# Altium PCB T1_Card.PcbDoc (part 6 of 6) (continued)
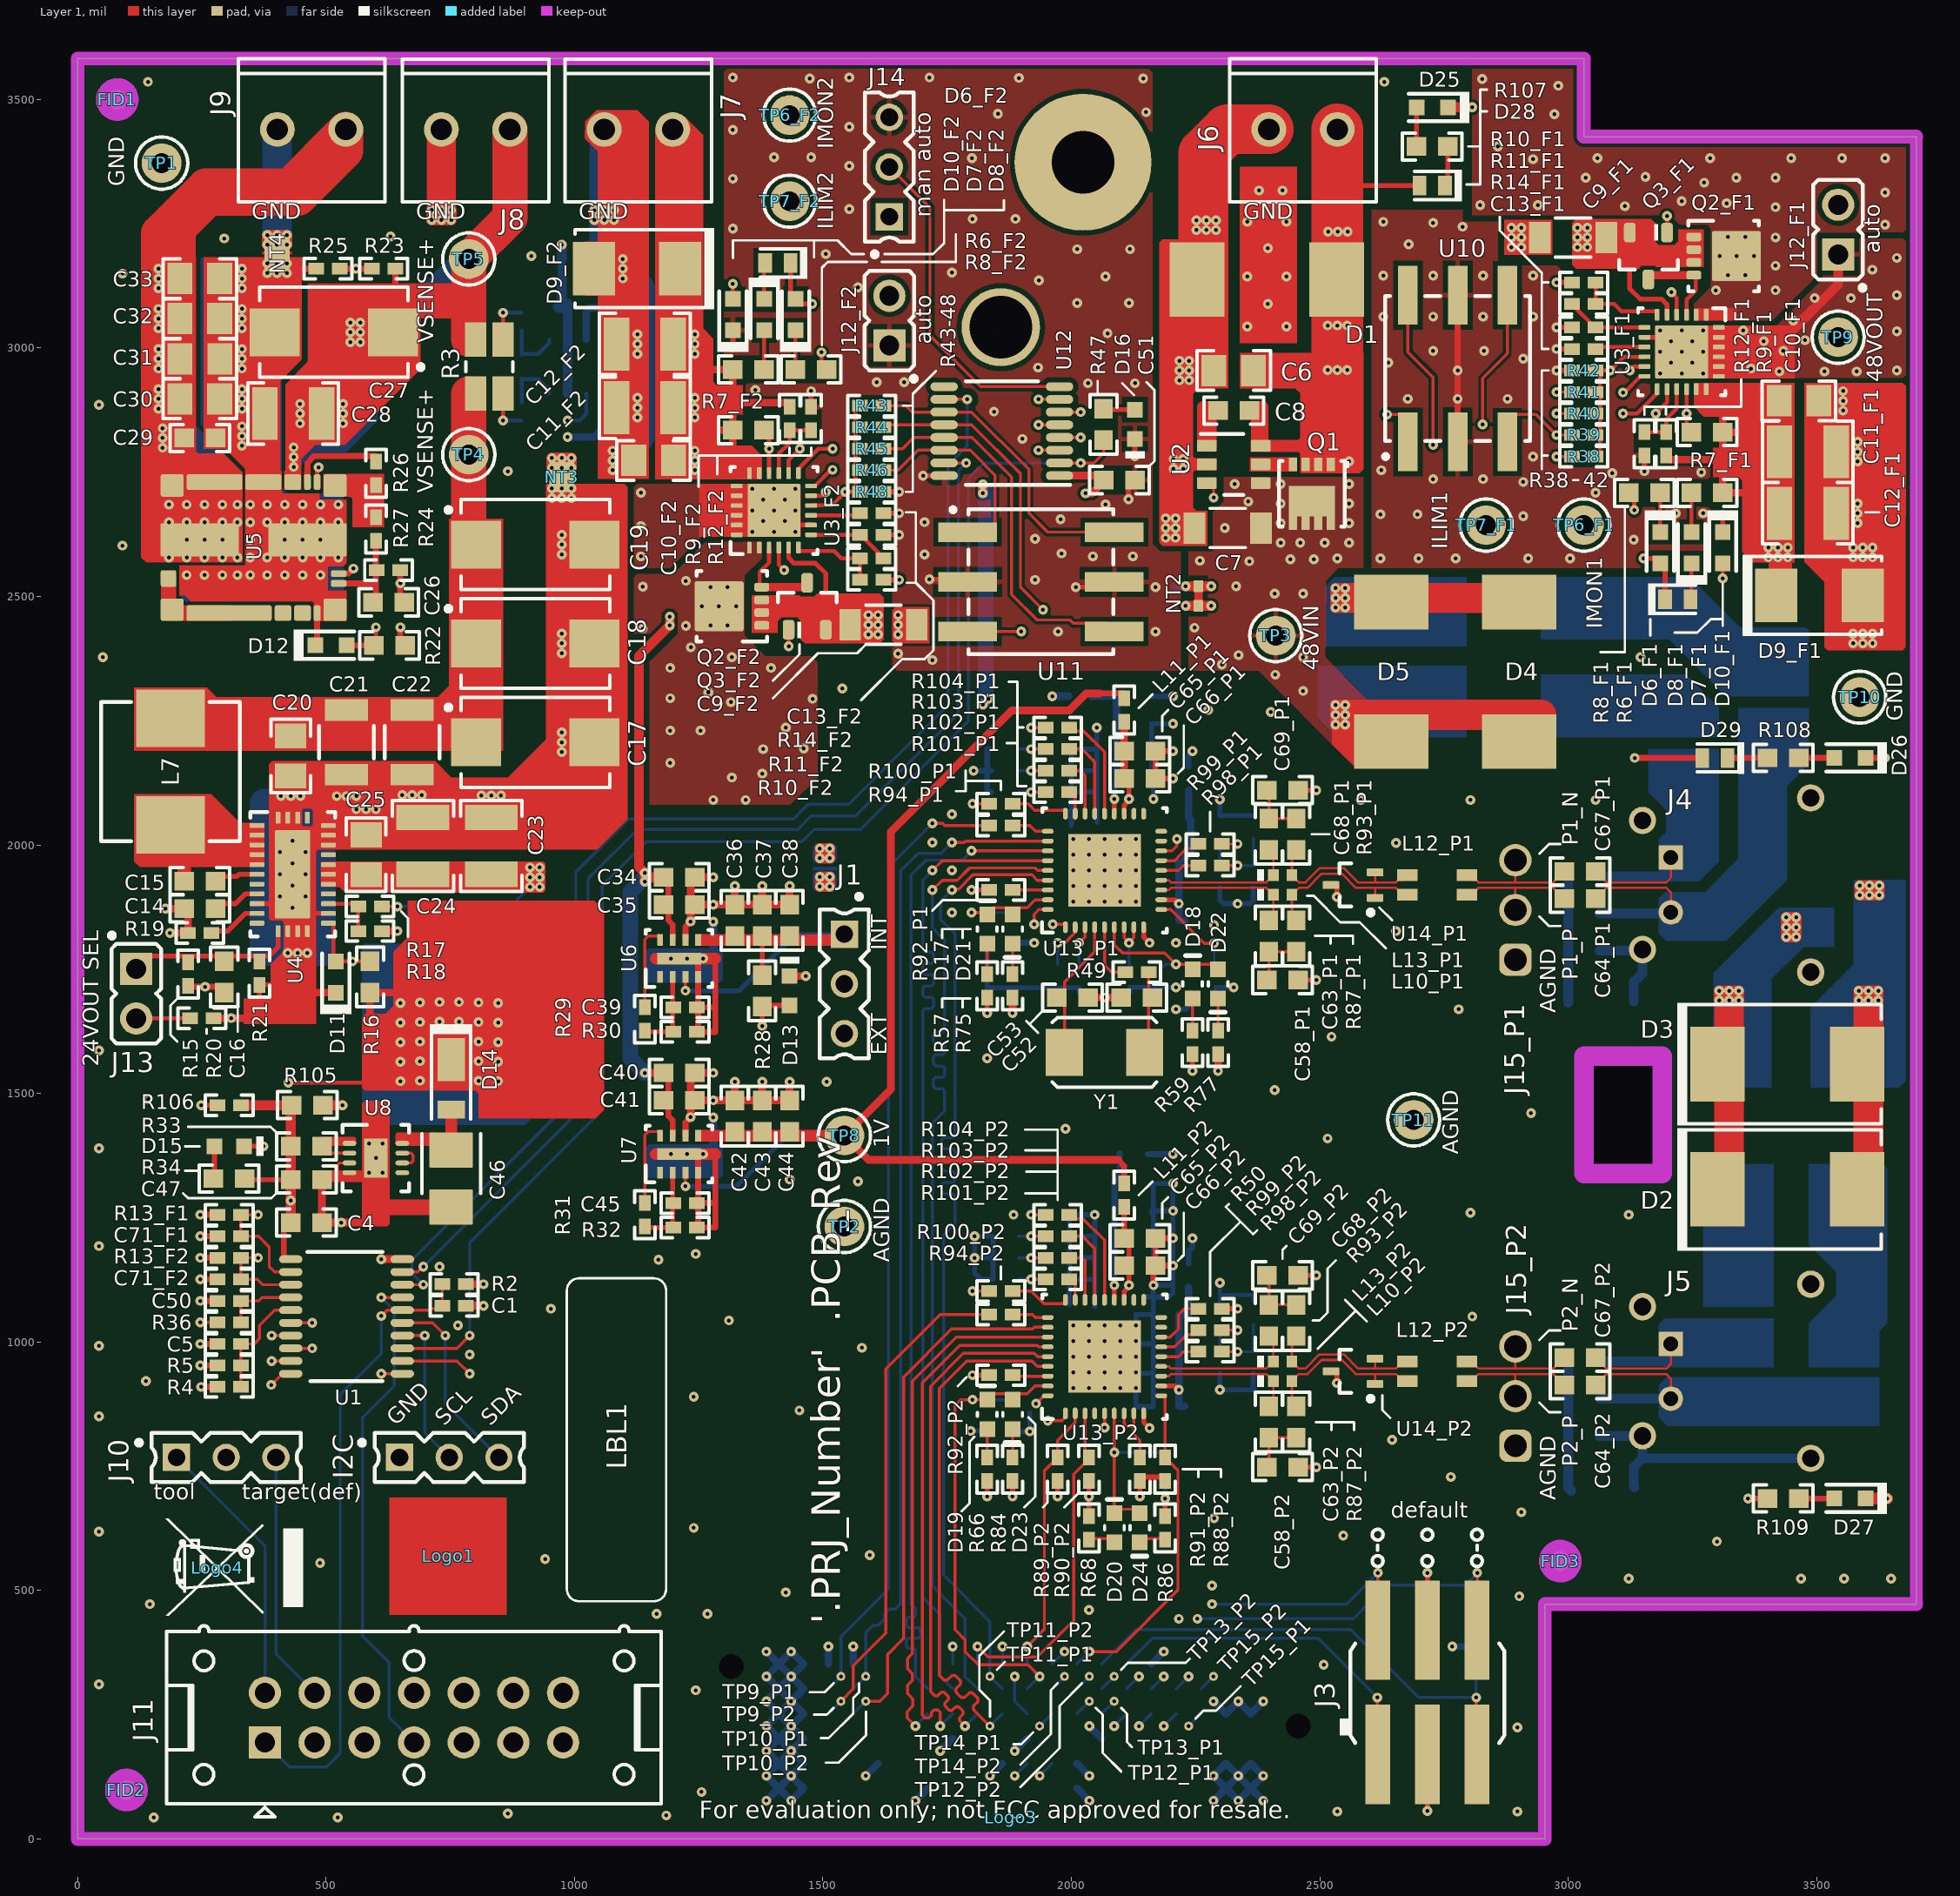
[diagram p0: Layer 1 view]
## Other copper (continued)
  pour cut-out: 2655.51,988.19 2663.39,996.06 2809.06,996.06 2816.93,988.19 2816.93,893.7 2809.06,885.83 2663.47,885.83 2655.51,893.78
  text ".Layer_Name" at 183.3,-1055.34 h60
Layer 4:
  region net LMZM33603_GND: 472.44,2490.16 535.43,2490.16 535.43,2694.88 535.43,2706.69 423.23,2706.69 410.43,2719.49 410.43,2751.97 410.43,2936.02 450.79,2976.38 450.79,3181.1 248.03,3181.1 248.03,2846.46 337.6,2756.89 337.6,2562.6 204.72,2562.6 204.72,2501.97 216.54,2490.16
  region net 24or12V_out: 418.31,2748.03 449.8,2748.03 449.8,2763.78 475.39,2789.37 539.37,2789.37 604.33,2854.33 604.33,3129.92 462.6,3129.92 462.6,2971.46 418.31,2927.17 418.31,2753.94
  region net 5V_out: 331.69,2750 238.19,2843.5 238.19,3198.82 235.24,3201.77 131.89,3201.77 127.95,3197.83 127.95,2578.74 138.19,2568.5 330.31,2568.5 331.69,2569.88
  pour cut-out: 2655.51,1966.54 2663.39,1974.41 2809.06,1974.41 2816.93,1966.54 2816.93,1872.05 2809.06,1864.17 2663.47,1864.17 2655.51,1872.13
  pour cut-out: 2655.51,988.19 2663.39,996.06 2809.06,996.06 2816.93,988.19 2816.93,893.7 2809.06,885.83 2663.47,885.83 2655.51,893.78
  text ".Layer_Name" at 183.3,-1055.34 h60
Layer 5:
  region net LMZM33603_GND: 204.72,2527.77 535.43,2527.77 535.43,2694.88 337.6,2694.88 337.6,2562.6 204.72,2562.6
  region net 5V_out: 331.69,2571.85 331.69,2691.93 328.74,2694.88 176.18,2694.88 173.23,2691.93 173.23,2571.85 176.38,2568.7 328.54,2568.7
  pour cut-out: 2655.51,1966.54 2663.39,1974.41 2809.06,1974.41 2816.93,1966.54 2816.93,1872.05 2809.06,1864.17 2663.47,1864.17 2655.51,1872.13
  pour cut-out: 2655.51,988.19 2663.39,996.06 2809.06,996.06 2816.93,988.19 2816.93,893.7 2809.06,885.83 2663.47,885.83 2655.51,893.78
  text ".Layer_Name" at 183.3,-1055.34 h60
Layer 6:
  rectangle net AGND: 1478.94,1948.43 1528.94,1956.5
  region net 24or12V_out: 418.31,2748.03 449.8,2748.03 449.8,2763.78 475.39,2789.37 539.37,2789.37 604.33,2854.33 604.33,3129.92 462.6,3129.92 462.6,2971.46 418.31,2927.17 418.31,2753.94
  region net 48V_Vin: 572.83,1445.87 581.69,1437.01 900.59,1437.01 976.38,1512.8 976.38,1795.28 970.47,1801.18 578.74,1801.18 572.83,1795.28
  region net BUCK_GND: 500.98,1756.89 519.68,1775.59 519.68,2083.66 346.46,2083.66 346.46,1775.59 365.16,1756.89
  region net LMZM33603_GND: 472.44,2490.16 535.43,2490.16 535.43,2694.88 535.43,2706.69 423.23,2706.69 410.43,2719.49 410.43,2751.97 410.43,2936.02 450.79,2976.38 450.79,3181.1 248.03,3181.1 248.03,2846.46 337.6,2756.89 337.6,2562.6 204.72,2562.6 204.72,2501.97 216.54,2490.16
  region net 5V_out: 331.69,2750 238.19,2843.5 238.19,3181.1 127.95,3181.1 127.95,2578.74 138.19,2568.5 330.31,2568.5 331.69,2569.88
  region net GND: 2511.81,2399.61 2795.28,2399.61 2795.28,2539.37 2530.51,2539.37 2511.81,2520.67
  region net 48V_Vin: 2496.06,2360.24 2795.28,2360.24 2795.28,2216.54 2534.45,2216.54 2496.06,2254.92
  region net LM10500_SGNDb: 1149.61,1397.64 1292.32,1397.64 1298.23,1391.73 1298.23,1335.63 1292.32,1329.72 1149.61,1329.72 1143.7,1335.63 1143.7,1391.73
  region net LM10500_SGNDa: 1149.61,1791.34 1292.32,1791.34 1298.23,1785.43 1298.23,1729.33 1292.32,1723.43 1149.61,1723.43 1143.7,1729.33 1143.7,1785.43
  region net 48V_VOUT1: 3535.43,1874.02 3424.21,1874.02 3292.32,1742.13 3292.32,1655.51 3291.34,1654.53 3291.34,1511.81 3409.45,1511.81 3409.45,1731.3 3473.43,1795.28 3535.43,1795.28
  region net GND: 3488.19,1511.81 3665.35,1511.81 3679.13,1525.59 3679.13,1930.12 3574.8,1930.12 3574.8,1759.84 3488.19,1673.23
  region net NetL4_4: 2944.88,2539.37 3244.1,2539.37 3346.45,2437.02 3478.34,2437.02 3484.25,2431.1 3484.25,2299.21 3317.48,2299.21 3203.31,2413.39 2944.88,2413.39
  region net NetL2_2: 3303.15,2216.54 2944.88,2216.54 2944.88,2342.52 3237.2,2342.52 3303.15,2276.57
  region net PHY_N1: 3303.15,2192.91 3303.15,1966.54 3263.78,1927.17 3182.09,1927.17 3182.09,2010.83 3196.85,2025.59 3196.85,2070.87 3161.42,2106.3 3161.42,2192.91
  region net PHY_P1: 3342.52,2275.59 3342.52,1972.44 3275.59,1905.51 3195.87,1905.51 3182.09,1891.73 3182.09,1821.85 3196.85,1807.09 3317.91,1807.09 3440.95,1930.12 3440.94,2119.09 3484.25,2162.4 3484.25,2275.59
  region net NetL3_2: 3484.25,1358.27 3631.89,1358.27 3641.73,1348.43 3641.73,1037.4 3625.98,1021.65 3625.98,948.82 3484.25,948.82 3484.25,1037.4 3539.37,1092.52 3539.37,1140.75 3484.25,1195.87
  region net NetL1_1: 3413.39,1070.87 3413.39,1358.27 3281.5,1358.27 3271.65,1348.43 3271.65,1070.87
  region net PHY_N2: 3413.39,1047.24 3413.39,948.82 3193.9,948.82 3182.09,960.63 3182.09,1035.43 3193.9,1047.24
  region net PHY_P2: 3472.44,929.13 3625.98,929.13 3625.98,830.71 3199.8,830.71 3182.09,848.43 3182.09,913.39 3197.83,929.13
  text ".Layer_Name" at 183.3,-1055.34 h60

## Silkscreen, mask and mechanical layers (free items; w line width, h text height)
Top Overlay:
  drawing of 218 lines, arcs and shapes, not listed
  text "This document can handle board shapes up to 7.9in x 10in, although" at -251.84,7000.98 h60
  text "our panel vendors top out at 7in x 10in." at -251.84,6876.93 h60
  text "To re-size the board shape, do the following:" at -196.84,6752.87 h60
  text "Select lines on M1 Board Outline and delete (easy in single layer mode...shift+s)" at -136.84,6628.81 h60
  text "Draw a rectangle using lines (example will be for a 4\" x 6\" board" at -136.84,6504.75 h60
  text "Enter Place Line mode (keyboard pl)" at 73.16,6380.69 h60
  text "keyboard jo to jump to origin, hit enter" at 73.16,6256.63 h60
  text "keyboard jl to jump to location, set x to 6000, hit enter twice" at 73.16,6132.57 h60
  text "keyboard jl to jump to location, set x to 6000 and y to 4000, hit enter twice" at 73.16,6008.51 h60
  text "keyboard jl to jump to location, set x to 0 and y to 4000, hit enter twice" at 73.16,5884.45 h60
  text "keyboard jo to jump to origin, hit enter" at 73.16,5760.4 h60
  text "Hit ESC twice to exit place line mode" at 73.16,5636.34 h60
  text "Select lines on M1 Board Outline" at -136.84,5492.28 h60
  text "Menu Design|Board Shape|Define from Selected Objects (keyboard dsd)" at -136.84,5388.22 h60
  text "If you re-size the board, don't forget to move the drill table strings on the" at -251.84,5068.98 h60
  text "Drill Drawing Layer...they should be just to the right of your board shape" at -58.84,4962.98 h60
  text "IMON2" at 1531,3400 h55 r90
  text "GND" at 104,3325 h55 r90
  text "man auto" at 1727,3263 h55 r90
  text "GND" at 350.73,3249.08 h55
  text "GND" at 680.87,3248.88 h55
  text "GND" at 1008.67,3248.68 h55
  text "GND" at 2346.14,3249.08 h55
  text "ILIM2" at 1531,3238 h55 r90
  text "auto" at 3637.45,3190.07 h55 r90
  text "VSENSE+" at 727,3010 h55 r90
  text "auto" at 1728,3007 h55 r90
  text "R43-48" at 1767,2960 h30 r90
  text "48VOUT" at 3643,2931 h55 r90
  text "R38" at 2921,2719 h30
  text "42" at 3030,2719 h30
  text "VSENSE+" at 726,2708 h55 r90
  text "ILIM1" at 2767,2595 h55 r90
  text "IMON1" at 3079,2435 h55 r90
  text "48VIN" at 2508,2351 h55 r90
  text "GND" at 3683,2249 h55 r90
  text "P1_N" at 3030,1999 h55 r90
  text "INT" at 1639,1788 h55 r90
  text "P1_P" at 3030,1728 h55 r90
  text "AGND" at 2985,1662 h55 r90
  text "EXT" at 1639,1577 h55 r90
  text "24VOUT SEL" at 53,1554 h55 r90
  text "1V" at 1644,1390 h55 r90
  text "AGND" at 2789,1377 h55 r90
  text "AGND" at 1644,1160 h55 r90
  text "P2_N" at 3030,1020 h55 r90
  text "GND" at 648,822 h55 r45
  text "SCL" at 745,822 h55 r45
  text "SDA" at 838,822 h55 r45
  text "P2_P" at 3030,749 h55 r90
  text "AGND" at 2985,681 h55 r90
  text "tool" at 153,673 h55
  text "target(def)" at 331,673 h55
  text "default" at 2643,636 h55
  text "'.PRJ_Number'  .PCB_Rev" at 1554.13,432.09 h100 r90
  text ".Layer_Name" at 183.3,-1055.34 h60
Bottom Overlay:
  lines w5: 1866.14,1236.22 1866.14,1273.62 ; 1931.1,2269.69 1940.94,2269.69 ; 1931.1,2356.3 1940.94,2356.3 1940.94,2246.06 1976.38,2246.06 1976.38,2220.47 ; 1972.44,1236.22 1972.44,1273.62 ; 2129.92,2328.74 2129.92,2358.27 ; 2212.6,1208.66 2224.41,1208.66 2224.41,1383.86 2250,1383.86 ; 2212.6,1320.87 2224.41,1320.87 ; 2224.41,1250 2248.03,1250 ; 2271.65,1848.43 2340.55,1848.43 2340.55,1832.68 ; 2350.39,1700.79 2340.55,1700.79 2340.55,1832.68 ; 2350.39,1832.68 2340.55,1832.68 ; 2387.8,1937.01 2411.42,1937.01 ; 2387.8,2035.43 2413.39,2035.43 ; 2389.76,962.6 2413.39,962.6 ; 2389.76,1059.06 2415.35,1059.06
  text ".Layer_Name" at 183.3,-1055.34 h60
Top Paste:
  text ".Layer_Name" at 183.3,-1055.34 h60
Bottom Paste:
  text ".Layer_Name" at 183.3,-1055.34 h60
Top Solder:
  text ".Layer_Name" at 183.3,-1055.34 h60
  text ".Layer_Name" at 183.3,-1055.34 h60
Bottom Solder:
  text ".Layer_Name" at 183.3,-1055.34 h60
Drill Guide:
  text ".Layer_Name" at 183.3,-1055.34 h60
M1 Board Outline:
  circle w10: c1857.92,3041.69 r78.84
  pour cut-out: 1885.83,3023.62
  lines w10: 2952.76,-0.47 2952.76,471.97 ; 2952.76,0 0,0 0,3582.68 3031.5,3582.68 3031.5,3425.2 3700.79,3425.2 3700.79,472.44 2952.76,472.44 ; 3031.5,1338.58 3031.5,1574.8 3188.98,1574.8 3188.98,1338.58 3031.5,1338.58
  text ".Layer_Name" at 183.3,-1055.34 h60
M2 Board Dimensions:
  rectangle: 0,-275 125,-150
  rectangle: 125,-400 500,-275
  lines w7: 0,-275 1000,-275 ; 125,-400 125,-150 ; 250,-400 250,-150 ; 500,-400 500,-150 ; 750,-400 750,-150 ; 0,-400 1000,-400 1000,-150 0,-150 0,-400
  text ".Layer_Name" at 183.3,-1055.34 h60
M3 3D STEP Top:
  text ".Layer_Name" at 183.3,-1055.34 h60
M4 3D STEP Bottom:
  text ".Layer_Name" at 183.3,-1055.34 h60
M5 Assembly Top:
  lines w10: -685.7,-1127.02 5914.3,-1127.02 ; -685.7,-923.68 5916.3,-923.68 ; -685.7,-720.35 -685.7,-1330.35 3319.3,-1330.35 5916.3,-1330.35 5916.3,-720.35 -685.2,-720.35 -685.2,-1330.35 890.3,-1330.35 ; 1779.3,-1330.35 1779.3,-720.35 ; 3046.3,-923.68 3046.3,-720.35 ; 3886.3,-923.68 3886.3,-720.35 ; 4508.3,-1336.85 4508.3,-1134.02
  text "COMPONENTS MARKED 'DNP' SHOULD NOT BE POPULATED." at 759.8,-515.35 h60
  text "ASSEMBLY VARIANT:" at 759.3,-630.85 h60
  text ".VariantName" at 1795.3,-630.85 h60
  text "PCB VIEWED FROM TOP SIDE" at -622.2,-852.52 h60
  text "BOARD #:" at 1854.3,-852.52 h60
  text ".PRJ_Number" at 2399.8,-852.52 h60
  text "REV:" at 3244.3,-852.52 h60
  text ".PCB_Rev" at 3535.8,-852.52 h60
  text "SVN REV:" at 4082.3,-852.52 h60
  text ".VersionControl_RevNumber" at 4588.3,-852.52 h60
  text "TID #:" at 1854.3,-1055.85 h60
  text ".TID" at 2399.8,-1055.85 h60
  text "PLOT NAME =" at -622.2,-1261.19 h60
  text ".plot_File_Name" at 183.3,-1261.19 h60
  text "GENERATED    :" at 1856.3,-1261.19 h60
  text ".Print_Date" at 2725.8,-1261.19 h60
  text ".Print_Time" at 3454.8,-1261.19 h60
  text "TEXAS INSTRUMENTS" at 4719.3,-1261.19 h60
M6 Assembly Bottom:
  lines w10: -686.2,-924.18 5915.8,-924.18 ; -684.2,-1127.52 5915.8,-1127.52 ; 721.8,-1337.35 721.8,-1134.52 ; 1343.8,-924.18 1343.8,-720.85 ; 2183.8,-924.18 2183.8,-720.85 ; 3450.8,-1330.85 3450.8,-720.85 ; 4339.8,-1330.85 5915.3,-1330.85 5915.3,-720.85 -686.2,-720.85 -686.2,-1330.85 1910.8,-1330.85 5915.8,-1330.85 5915.8,-720.85
  text "COMPONENTS MARKED 'DNP' SHOULD NOT BE POPULATED." at 5708.3,-514.85 h60
  text ".VariantName" at 4664.3,-630.85 h60
  text "ASSEMBLY VARIANT:" at 5703.3,-630.85 h60
  text ".VersionControl_RevNumber" at 641.8,-853.02 h60
  text "SVN REV:" at 1147.8,-853.02 h60
  text ".PCB_Rev" at 1694.3,-853.02 h60
  text "REV:" at 1985.8,-853.02 h60
  text ".PRJ_Number" at 2830.3,-853.02 h60
  text "BOARD #:" at 3375.8,-853.02 h60
  text "PCB VIEWED FROM BOTTOM SIDE" at 5852.3,-853.02 h60
  text ".TID" at 2830.3,-1056.35 h60
  text "TID #:" at 3375.8,-1056.35 h60
  text "TEXAS INSTRUMENTS" at 510.8,-1261.69 h60
  text ".Print_Time" at 1775.3,-1261.69 h60
  text ".Print_Date" at 2504.3,-1261.69 h60
  text "GENERATED    :" at 3373.8,-1261.69 h60
  text ".plot_File_Name" at 5046.8,-1261.69 h60
  text "PLOT NAME =" at 5852.3,-1261.69 h60
M9 Title Sheet:
  drawing of 57 lines, arcs and shapes, not listed
  text "1" at 346.14,7839.65 h70
  text "2" at 2841.8,7839.65 h70
  text "4" at 7837.81,7839.65 h70
  text "5" at 10336.8,7839.65 h70
  text "6" at 12841.8,7839.65 h70
  text "A" at -810.2,6696.65 h70
  text "A" at 13989.8,6696.65 h70
  text "B" at -810.2,4316.65 h70
  text "B" at 13989.8,4316.65 h70
  text "3" at 1288.31,2884.13 h70 r90
  text "C" at -810.2,1941.65 h70
  text "C" at 13989.8,1941.65 h70
  text "PROJECT TITLE:" at 10949.8,80.65 h45
  text ".PRJ_Title" at 10999.8,-52.68 h70
  text "DESIGNED FOR:" at 10949.8,-220.35 h45
  text ".PRJ_Customer" at 10999.8,-360.35 h70
  text "D" at -810.2,-428.35 h70
  text "D" at 13989.8,-428.35 h70
  text "FILE NAME:" at 10949.8,-520.35 h45
  text ".PCB_File_Name_No_Path" at 10999.8,-640.35 h70
  text "Texas Instruments (TI) and/or its licensors do not warrant the accuracy or completeness of this specification" at 5980.3,-802.19 h45
  text "ENGINEER:" at 10949.8,-810.35 h45
  text "LAYOUT BY:" at 12454.8,-810.35 h45
  text "or any information contained therein. TI and/or its licensors do not warrant that this design will meet" at 5935.31,-914.85 h45
  text ".PRJ_Engineer" at 10999.8,-965.34 h70
  text ".PCB_Layout" at 12505.3,-965.34 h70
  text "the specifications, will be suitable for your application or fit for any particular purpose, or will operate in" at 5935.31,-1027.52 h45
  text ".Layer_Name" at 183.3,-1055.34 h60
  text "ALTIUM DESIGNER VERSION:" at 12454.8,-1120.35 h45
  text "an implementation. TI and/or its licensors do not warrant that the design is production worthy. You should" at 5935.31,-1140.18 h45
  text "completely validate and test your design implementation to confirm the system functionality for your application." at 5980.3,-1252.85 h45
  text ".print_Scale" at 10999.8,-1253.68 h70
  text ".Application_BuildNumber" at 12505.3,-1253.68 h70
  text "1" at 346.14,-1460.35 h70
  text "2" at 2841.8,-1460.35 h70
  text "3" at 5331.14,-1460.35 h70
  text "4" at 7837.81,-1460.35 h70
  text "5" at 10336.8,-1460.35 h70
  text "6" at 12841.8,-1460.35 h70
M10 Fab Notes:
  drawing of 189 lines, arcs and shapes, not listed
  text "DESIGN INFORMATION" at 11988.32,6159.32 h60
  text "MIN. TRACK WIDTH:" at 11343.76,6027.2 h60
  text "4.5" at 12382.87,6027.56 h60
  text "MIL" at 12594.76,6027.2 h60
  text "MIN. CLEARANCE:" at 11343.76,5903.07 h60
  text "0.15" at 12337.6,5903.54 h60
  text "mm" at 12594.76,5903.07 h60
  text "MIN. VIA PAD SIZE:" at 11343.76,5778.95 h60
  text "20" at 12410.01,5778.95 h60
  text "MIL" at 12594.76,5778.95 h60
  text "0.05mm (2MIL)" at 12038.76,5649.05 h60
  text "MINIMUM ANNULAR RING" at 11014.53,5640.82 h60
  text "EXTERNAL" at 12746.76,5640.82 h60
  text "PER" at 11214.53,5530.7 h60
  text "IPC-D-275 CLASS 2 LEVEL C" at 11434.53,5530.69 h60
  text "MIL, HOLES" at 12922.76,5430.22 h60
  text "+/-" at 12530.3,5421.63 h60
  text "+/-" at 13384.3,5421.63 h60
  text "REGISTRATION TOLERANCES:" at 11014.53,5420.57 h60
  text "METAL" at 12214.3,5420.57 h60
  text "5" at 12790.5,5420.57 h60
  text "3" at 13623.5,5420.57 h60
  text "MIL" at 13739.76,5420.57 h60
  text "HOLE SIZE TOLERANCE (UNLESS OTHERWISE SPECIFIED):" at 11014.53,5322.25 h60
  text "+/-" at 13384.3,5319.38 h60
  text "3" at 13623.5,5318.32 h60
  text "MIL" at 13739.76,5318.32 h60
  text "MATERIAL:" at 10939.76,5180.67 h60
  text "FR-4 High Tg" at 11926.2,5052.15 h60
  text "X" at 11781.76,5044.16 h60
  text "FR-408" at 11360.76,5039.64 h60
  text "OTHER" at 12848.76,5039.64 h60
  text "62 MIL (1.6mm) +/-10%" at 11680.86,4896.61 h60
  text "X" at 11560.76,4894.16 h60
  text "THICKNESS:" at 11014.53,4888.39 h60
  text "OTHER" at 12965.76,4888.39 h60
  text "TOLERANCE:" at 11014.53,4750.07 h60
  text "X" at 11862.76,4750.07 h60
  text "ANSI IPC-6012 TYPE 3 CLASS 2" at 12040.77,4750.07 h60
  text "OTHER +/-" at 12040.76,4605.88 h60
  text "BOW & TWIST:" at 11014.53,4460.69 h60
  text "X" at 11862.76,4460.69 h60
  text "ANSI IPC-6012 TYPE 3 CLASS 2" at 12040.77,4460.69 h60
  text "OTHER +/-" at 12040.76,4314 h60
  text "DRILLING:" at 10939.76,4183.38 h60
  text "NC_DRILL FILES" at 12700.76,4078.19 h60
  text "REFERENCE:" at 11014.53,4074.25 h60
  text "X" at 11671.76,4074.16 h60
  text "AS SHOWN" at 11849.76,4074.25 h60
  text "X" at 12572.76,4074.25 h60
  text "OTHER" at 12998.76,3932 h60
  text "PTH COPPER THICKNESS:" at 11014.2,3928.47 h60
  text "X" at 12153.44,3928.47 h60
  text "20-30 um" at 12281.44,3928.47 h60
  text "BOARD FINISH:" at 10939.76,3780.88 h60
  text "SILKSCREEN:" at 11094.98,3670.75 h60
  text "X" at 12052.76,3670.75 h60
  text "TOP" at 12169.76,3670.75 h60
  text "X" at 12562.76,3670.75 h60
  text "BOTTOM" at 12680.76,3670.75 h60
  text "SILKSCREEN COLOR:" at 11094.98,3515.56 h60
  text "X" at 12051.76,3515.56 h60
  text "WHITE" at 12169.76,3515.56 h60
  text "OTHER" at 12680.76,3515.56 h60
  text "X" at 12182.76,3372.11 h60
  text "GREEN" at 12300.76,3372.11 h60
  text "OTHER" at 12918.76,3372.11 h60
  text "SOLDER RESIST COLOR:" at 11094.98,3365.24 h60
  text "X" at 12182.76,3217.86 h60
  text "MATTE" at 12300.76,3217.86 h60
  text "SEMI-GLOSS" at 12918.3,3217.22 h60
  text "IMMERSION GOLD (ENIG)" at 12000.76,3045.09 h60
  text "ENEPIG" at 13338.3,3037.87 h60
  text "SURFACE FINISH:" at 10939.76,3036.87 h60
  text "X" at 11822.76,3036.87 h60
  text "IMM. TIN/SILVER OR EQUIV" at 11269.3,2899.55 h60
  text "OTHER" at 12700.76,2895.61 h60
  text "ARRAY/PANEL:" at 10939.76,2740.24 h60
  text "CUT AND TRIM PER M1 BOARD OUTLINE" at 12000.76,2732.02 h60
  text "N.C. ROUTE" at 12000.76,2596.05 h60
  text "X" at 12688.76,2596.05 h60
  text "V. SCORE" at 12866.76,2596.05 h60
  text "CERTIFICATION:" at 10939.76,2466.92 h60
  text "MATERIALS AND WORKMANSHIP FOR ALL PCBS" at 11664.76,2466.92 h60
  text "TO MEET OR EXCEED THE REQUIREMENTS OF:" at 11664.76,2372.86 h60
  text "X" at 11302.27,2244.23 h60
  text "ANSI IPC-A-600F CLASS ->" at 11430.26,2244.23 h60
  text "X" at 13078.27,2244.23 h60
  text "2" at 13188.26,2244.23 h60
  text "1" at 12873.26,2242.73 h60
  text "3" at 13542.26,2242.73 h60
  text "X" at 12114.27,2096.54 h60
  text "RoHS" at 12242.26,2096.54 h60
  text "OTHER" at 12886.66,2096.54 h60
  text "PER ORDER" at 13283.72,2096.54 h60
  text "ALL BOARDS MUST MEET OR EXCEED UL94-V0 REQUIREMENTS." at 10967.3,1942.72 h60
  text "PCB MUST BEAR THE UL94V-0 UL REGISTERED MATERIAL ID NUMBER" at 10967.3,1826.65 h60
  text "ADDITIONAL REQUIREMENTS:" at 10939.76,1657.23 h60
  text "MICROSECTION:" at 11014.53,1550.1 h60
  text "YES" at 11920.26,1550.1 h60
  text "REQUIRED" at 12781.76,1405.77 h60
  text "BARE BOARD ELEC. TEST:" at 11014.53,1402.91 h60
  text "NONE" at 12320.26,1402.91 h60
  text "X" at 12663.76,1402.91 h60
  text "PER ORDER" at 13373.76,1402.91 h60
  text "XX MIL VIAS REQUIRE NON-CONDUCTIVE FILL AND PLANARIZE" at 11200.79,1181.1 h59
  text "XX MIL VIAS REQUIRE CONDUCTIVE FILL AND PLANARIZE" at 11200.79,1102.36 h60
  text "X" at 11073.19,947 h60
  text "OUTER 6 MIL TRACES & INNER (LAYER 3&4) 4.55 MIL TRACES REQUIRE / 50 OHM SINGLE-ENDED IMPEDANCE" at 11200.79,885.83 h50
  text "X" at 11073.19,761.54 h60
  text "OUTER 4.5 MIL TRACES, 6.5 MIL SPACE, REQUIRE / 100 OHM DIFFERENTIAL IMPEDANCE" at 11200.79,688.98 h50
  text ".Layer_Name" at 183.3,-1055.34 h60
M11 Gerber Information:
  lines w10: -685.7,-1127.02 5914.3,-1127.02 ; -685.7,-923.68 5916.3,-923.68 ; -685.7,-720.35 -685.7,-1330.35 3319.3,-1330.35 5916.3,-1330.35 5916.3,-720.35 -685.2,-720.35 -685.2,-1330.35 890.3,-1330.35 ; 1779.3,-1330.35 1779.3,-720.35 ; 3046.3,-923.68 3046.3,-720.35 ; 3886.3,-923.68 3886.3,-720.35 ; 4508.3,-1336.85 4508.3,-1134.02
  text "ALL ARTWORK VIEWED FROM TOP SIDE" at -622.2,-852.52 h60
  text "BOARD #:" at 1854.3,-852.52 h60
  text ".PRJ_Number" at 2399.8,-852.52 h60
  text "REV:" at 3244.3,-852.52 h60
  text ".PCB_Rev" at 3535.8,-852.52 h60
  text "SVN REV:" at 4082.3,-852.52 h60
  text ".VersionControl_RevNumber" at 4588.3,-852.52 h60
  text "LAYER NAME =" at -622.2,-1055.34 h60
  text "TID #:" at 1854.3,-1055.85 h60
  text ".TID" at 2399.8,-1055.85 h60
  text "PLOT NAME =" at -622.2,-1261.19 h60
  text ".plot_File_Name" at 183.3,-1261.19 h60
  text "GENERATED    :" at 1856.3,-1261.19 h60
  text ".Print_Date" at 2725.8,-1261.19 h60
  text ".Print_Time" at 3454.8,-1261.19 h60
  text "TEXAS INSTRUMENTS" at 4719.3,-1261.19 h60
M12 Stackup:
  drawing of 412 lines, arcs and shapes, not listed
  text "IMPEDANCE SPECIFICATIONS:" at 4409.45,2362.2 h40
  text "Z0 = 50R" at 4980.31,2244.09 h40
  text "Zdiff = 100R" at 5629.92,2244.09 h40
  text "TYPE" at 4448.82,2204.72 h40
  text "line width" at 4940.94,2165.35 h40
  text "line width / space" at 5531.5,2165.35 h40
  text "LAYER 1" at 4409.45,2047.24 h40
  text "6.00 MIL" at 4980.31,2047.24 h40
  text "4.50 / 6.50 MIL" at 5610.24,2047.24 h40
  text "LAYER 2" at 4409.45,1929.13 h40
  text "---REF---" at 4940.94,1929.13 h40
  text "---REF---" at 5688.98,1929.13 h40
  text "LAYER 3" at 4409.45,1811.02 h40
  text "4.55 MIL" at 4980.32,1811.02 h40
  text "-" at 5846.46,1811.02 h40
  text "LAYER 4" at 4409.45,1692.91 h40
  text "4.55 MIL" at 4980.31,1692.91 h40
  text "-" at 5846.46,1692.91 h40
  text "LAYER 5" at 4409.45,1574.8 h40
  text "---REF---" at 4940.94,1574.8 h40
  text "-" at 5846.46,1574.8 h40
  text "LAYER 6" at 4409.45,1456.69 h40
  text "6.00 MIL" at 4980.31,1456.69 h40
  text "-" at 5846.46,1456.69 h40
  text "Layer" at 4370.71,1199.5 h40
  text "Name" at 4646.65,1199.5 h40
  text "Material" at 5269.15,1199.5 h40
  text "Thickness" at 5844.99,1199.5 h40
  text "Constant" at 6280.88,1199.5 h40
  text "Board Layer Stack" at 6663.46,1199.5 h40
  text "1" at 4370.71,1119.5 h40
  text "Top Overlay" at 4646.65,1119.5 h40
  text "2" at 4370.71,1039.5 h40
  text "Top Solder" at 4646.65,1039.5 h40
  text "Solder Resist" at 5269.15,1039.5 h40
  text "0,40mil" at 5844.99,1039.5 h40
  text "3,5" at 6280.88,1039.5 h40
  text "3" at 4370.71,959.5 h40
  text "Layer 1" at 4646.65,959.5 h40
  text "Copper" at 5269.15,959.5 h40
  text "1,40mil" at 5844.99,959.5 h40
  text "4" at 4370.71,879.5 h40
  text "Dielectric 1" at 4646.65,879.5 h40
  text "FR-4" at 5269.15,879.5 h40
  text "3,70mil" at 5844.99,879.5 h40
  text "4,2" at 6280.88,879.5 h40
  text "5" at 4370.71,799.5 h40
  text "Layer 2" at 4646.65,799.5 h40
  text "Copper" at 5269.15,799.5 h40
  text "1,40mil" at 5844.99,799.5 h40
  text "6" at 4370.71,719.5 h40
  text "Dielectric 2" at 4646.65,719.5 h40
  text "FR-4" at 5269.15,719.5 h40
  text "4,00mil" at 5844.99,719.5 h40
  text "4,2" at 6280.88,719.5 h40
  text "7" at 4370.71,639.5 h40
  text "Layer 3" at 4646.65,639.5 h40
  text "Copper" at 5269.15,639.5 h40
  text "1,40mil" at 5844.99,639.5 h40
  text "8" at 4370.71,559.5 h40
  text "Dielectric 3" at 4646.65,559.5 h40
  text "FR-4" at 5269.15,559.5 h40
  text "42,00mil" at 5844.99,559.5 h40
  text "4,2" at 6280.88,559.5 h40
  text "9" at 4370.71,479.5 h40
  text "Layer 4" at 4646.65,479.5 h40
  text "Copper" at 5269.15,479.5 h40
  text "1,40mil" at 5844.99,479.5 h40
  text "10" at 4370.71,399.5 h40
  text "Dielectric 4" at 4646.65,399.5 h40
  text "FR-4" at 5269.15,399.5 h40
  text "4,00mil" at 5844.99,399.5 h40
  text "4,2" at 6280.88,399.5 h40
  text "11" at 4370.71,319.5 h40
  text "Layer 5" at 4646.65,319.5 h40
  text "Copper" at 5269.15,319.5 h40
  text "1,40mil" at 5844.99,319.5 h40
  text "12" at 4370.71,239.5 h40
  text "Dielectric 5" at 4646.65,239.5 h40
  text "FR-4" at 5269.15,239.5 h40
  text "3,70mil" at 5844.99,239.5 h40
  text "4,2" at 6280.88,239.5 h40
  text "13" at 4370.71,159.5 h40
  text "Layer 6" at 4646.65,159.5 h40
  text "Copper" at 5269.15,159.5 h40
  text "1,40mil" at 5844.99,159.5 h40
  text "14" at 4370.71,79.5 h40
  text "Bottom Solder" at 4646.65,79.5 h40
  text "Solder Resist" at 5269.15,79.5 h40
  text "0,40mil" at 5844.99,79.5 h40
  text "3,5" at 6280.88,79.5 h40
  text "15" at 4370.71,-0.5 h40
  text "Bottom Overlay" at 4646.65,-0.5 h40
  text ".Layer_Name" at 183.3,-1055.34 h60
M13 Component Bodies Top:
  text ".Layer_Name" at 183.3,-1055.34 h60
M14 Component Bodies Bottom:
  text ".Layer_Name" at 183.3,-1055.34 h60
M15 Courtyards Top:
  text ".Layer_Name" at 183.3,-1055.34 h60
M16 Courtyards Bottom:
  text ".Layer_Name" at 183.3,-1055.34 h60
Drill Drawing:
  circle w8: c4404.71,2866.46 r27.78
  lines w5: 4327.21,2551.18 9395.02,2551.18 ; 4327.21,3676.18 9395.02,3676.18 ; 4785.21,2426.18 4785.21,3801.18 ; 5315.67,2426.18 5315.67,3801.18 ; 6435.94,2426.18 6435.94,3801.18 ; 6856.43,2426.18 6856.43,3801.18 ; 7466.87,2426.18 7466.87,3801.18 ; 8457.18,2426.18 8457.18,3801.18 ; 4327.21,2426.18 9395.02,2426.18 9395.02,3801.18 4327.21,3801.18 4327.21,2426.18
  lines w8: 4376.93,2588.68 4376.93,2602.57 4390.82,2616.46 4376.93,2630.35 4376.93,2644.24 4390.82,2644.24 4404.71,2630.35 4418.6,2644.24 4432.49,2644.24 4432.49,2630.35 4418.6,2616.46 4432.49,2602.57 4432.49,2588.68 4418.6,2588.68 4404.71,2602.57 4390.82,2588.68 4376.93,2588.68 ; 4376.93,2769.24 4432.49,2769.24 4404.71,2713.68 4376.93,2769.24 ; 4376.93,2963.68 4432.49,2963.68 4432.49,3019.24 4376.93,3019.24 4376.93,2963.68 ; 4376.93,3102.57 4390.82,3102.57 4404.71,3088.68 4418.6,3102.57 4432.49,3102.57 4418.6,3116.46 4432.49,3130.35 4418.6,3130.35 4404.71,3144.24 4390.82,3130.35 4376.93,3130.35 4390.82,3116.46 4376.93,3102.57 ; 4376.93,3227.57 4390.82,3227.57 4390.82,3213.68 4418.6,3213.68 4418.6,3227.57 4432.49,3227.57 4432.49,3255.35 4418.6,3255.35 4418.6,3269.24 4390.82,3269.24 4390.82,3255.35 4376.93,3255.35 4376.93,3227.57 ; 4376.93,3338.68 4432.49,3338.68 4432.49,3394.24 4376.93,3394.24 4376.93,3338.68 ; 4376.93,3491.46 4404.71,3463.68 4432.49,3491.46 4404.71,3519.24 4376.93,3491.46 ; 4376.93,3588.68 4404.71,3602.57 4432.49,3588.68 4418.6,3616.46 4432.49,3644.24 4404.71,3630.35 4376.93,3644.24 4390.82,3616.46 4376.93,3588.68 ; 4388.04,3349.79 4421.38,3349.79 4421.38,3383.13 4388.04,3383.13 4388.04,3349.79
  text "Symbol" at 4402.21,3713.68 h60
  text "Quantity" at 4822.71,3713.68 h60
  text "Finished Hole Size" at 5353.17,3713.68 h60
  text "Plated" at 6473.44,3713.68 h60
  text "Hole Type" at 6893.93,3713.68 h60
  text "Drill Layer Pair" at 7504.37,3713.68 h60
  text "Hole Tolerance" at 8494.68,3713.68 h60
  text "2" at 4822.71,3588.68 h50
  text "50,00mil (1,270mm)" at 5353.17,3588.68 h50
  text "NPTH" at 6473.44,3588.68 h50
  text "Round" at 6893.93,3588.68 h50
  text "Layer 1 - Layer 6" at 7504.37,3588.68 h50
  text "1027" at 4822.71,3463.68 h50
  text "7,87mil (0,200mm)" at 5353.17,3463.68 h50
  text "PTH" at 6473.44,3463.68 h50
  text "Round" at 6893.93,3463.68 h50
  text "Layer 1 - Layer 6" at 7504.37,3463.68 h50
  text "14" at 4822.71,3338.68 h50
  text "8,00mil (0,203mm)" at 5353.17,3338.68 h50
  text "PTH" at 6473.44,3338.68 h50
  text "Round" at 6893.93,3338.68 h50
  text "Layer 1 - Layer 6" at 7504.37,3338.68 h50
  text "4" at 4822.71,3213.68 h50
  text "29,53mil (0,750mm)" at 5353.17,3213.68 h50
  text "PTH" at 6473.44,3213.68 h50
  text "Round" at 6893.93,3213.68 h50
  text "Layer 1 - Layer 6" at 7504.37,3213.68 h50
  text "20" at 4822.71,3088.68 h50
  text "35,43mil (0,900mm)" at 5353.17,3088.68 h50
  text "PTH" at 6473.44,3088.68 h50
  text "Round" at 6893.93,3088.68 h50
  text "Layer 1 - Layer 6" at 7504.37,3088.68 h50
  text "33" at 4822.71,2963.68 h50
  text "40,00mil (1,016mm)" at 5353.17,2963.68 h50
  text "PTH" at 6473.44,2963.68 h50
  text "Round" at 6893.93,2963.68 h50
  text "Layer 1 - Layer 6" at 7504.37,2963.68 h50
  text "8" at 4822.71,2838.68 h50
  text "43,31mil (1,100mm)" at 5353.17,2838.68 h50
  text "PTH" at 6473.44,2838.68 h50
  text "Round" at 6893.93,2838.68 h50
  text "Layer 1 - Layer 6" at 7504.37,2838.68 h50
  text "6" at 4822.71,2713.68 h50
  text "45,28mil (1,150mm)" at 5353.17,2713.68 h50
  text "PTH" at 6473.44,2713.68 h50
  text "Round" at 6893.93,2713.68 h50
  text "Layer 1 - Layer 6" at 7504.37,2713.68 h50
  text "2" at 4822.71,2588.68 h50
  text "125,98mil (3,200mm)" at 5353.17,2588.68 h50
  text "PTH" at 6473.44,2588.68 h50
  text "Round" at 6893.93,2588.68 h50
  text "Layer 1 - Layer 6" at 7504.37,2588.68 h50
  text "1116 Total" at 4822.71,2463.68 h50
  text ".Layer_Name" at 183.3,-1055.34 h60
Mechanical 17:
  text ".Layer_Name" at 183.3,-1055.34 h60
Mechanical 18:
  text ".Layer_Name" at 183.3,-1055.34 h60
Mechanical 19:
  text ".Layer_Name" at 183.3,-1055.34 h60

## Dimensions
0,-400 to 1000,-400 on M2 Board Dimensions
0,0 to 0,3582.68 on M2 Board Dimensions
0,3582.68 to 3700.79,3425.2 on M2 Board Dimensions

## Text inside footprints (layer, text, board x,y; h text height)
Logo3: Top Overlay "For evaluation only; not FCC approved for resale." at 1250.88,29.41 h60